# KiCad board TGX4.kicad_pcb
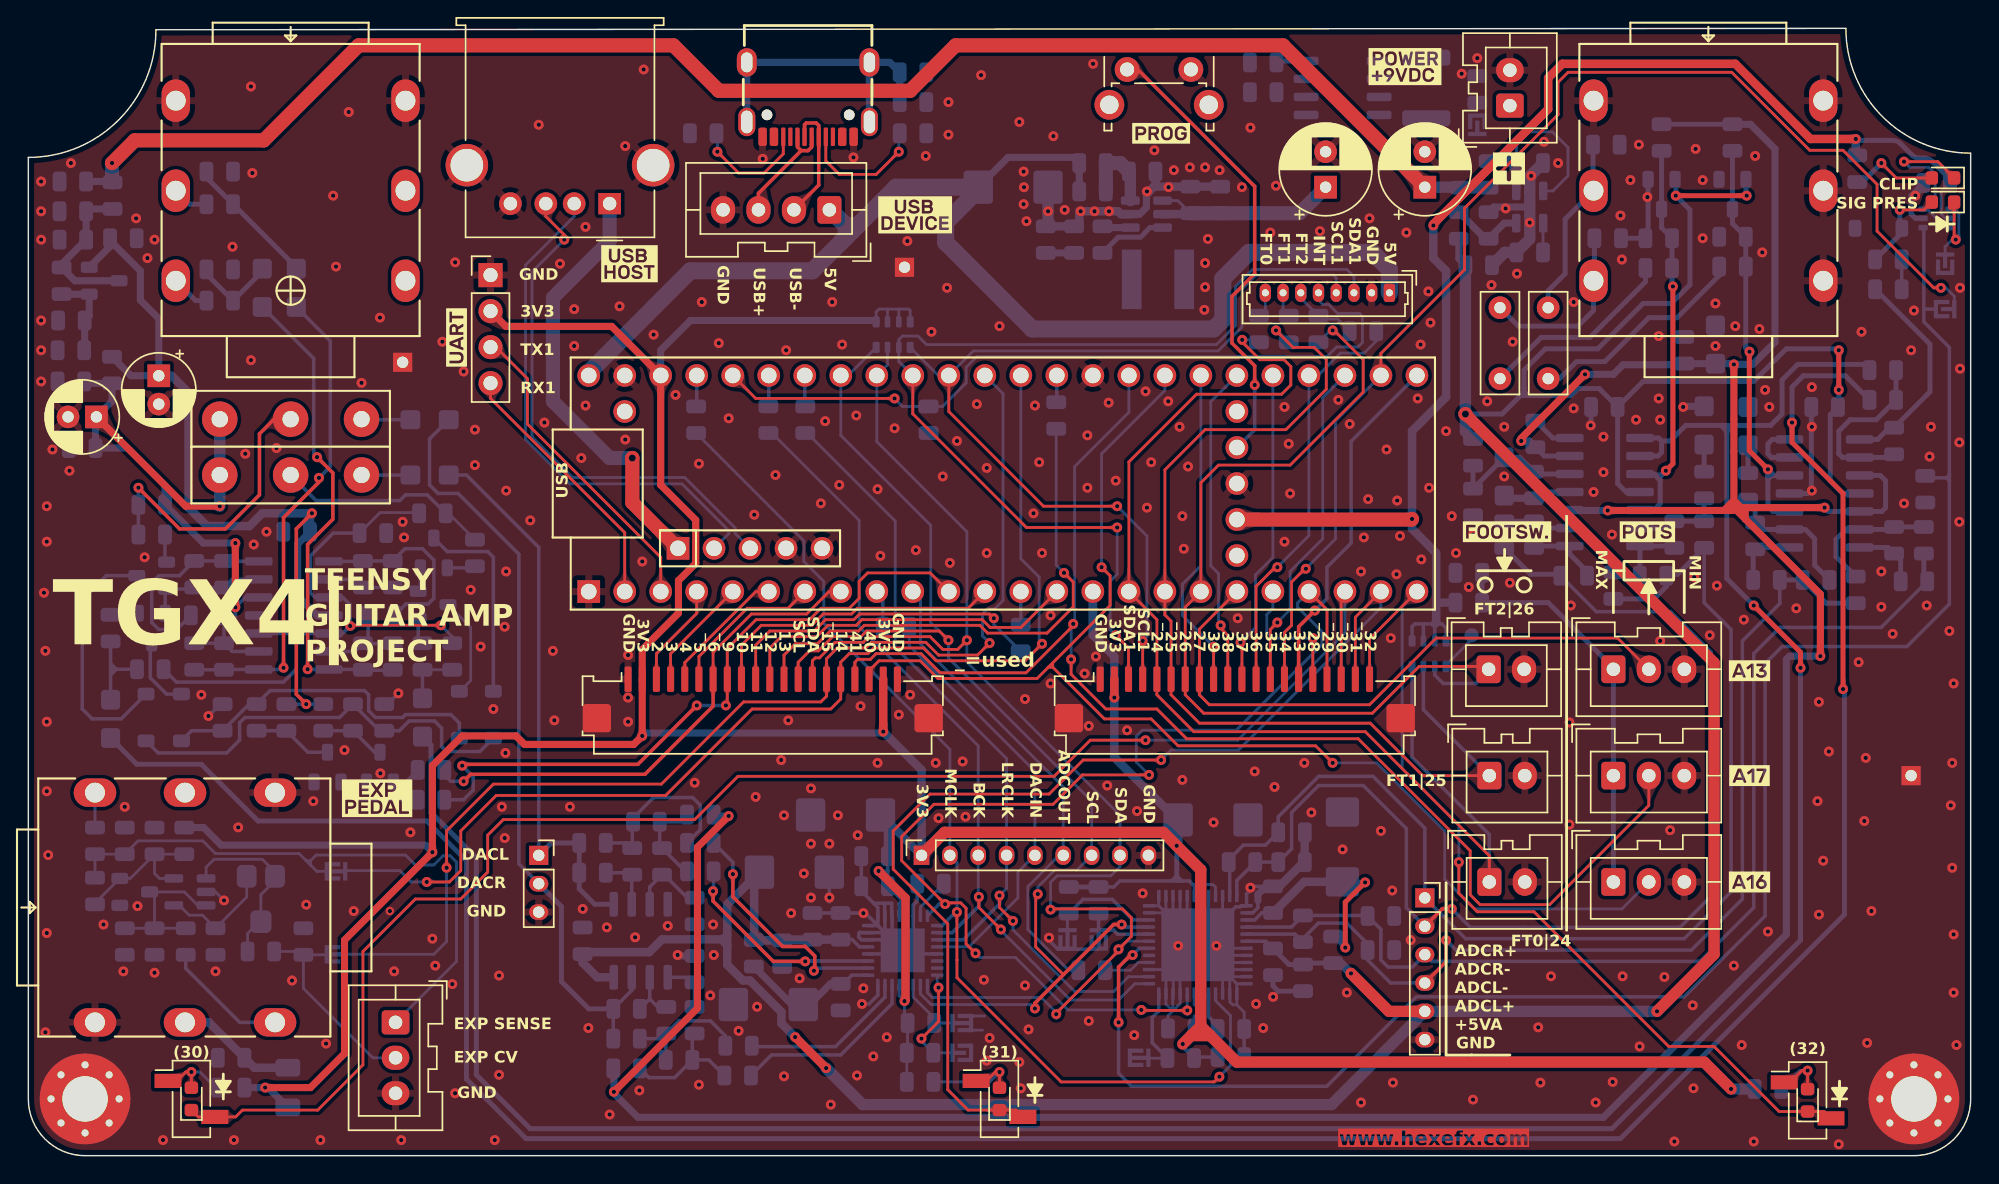
[diagram p0: board, top side]
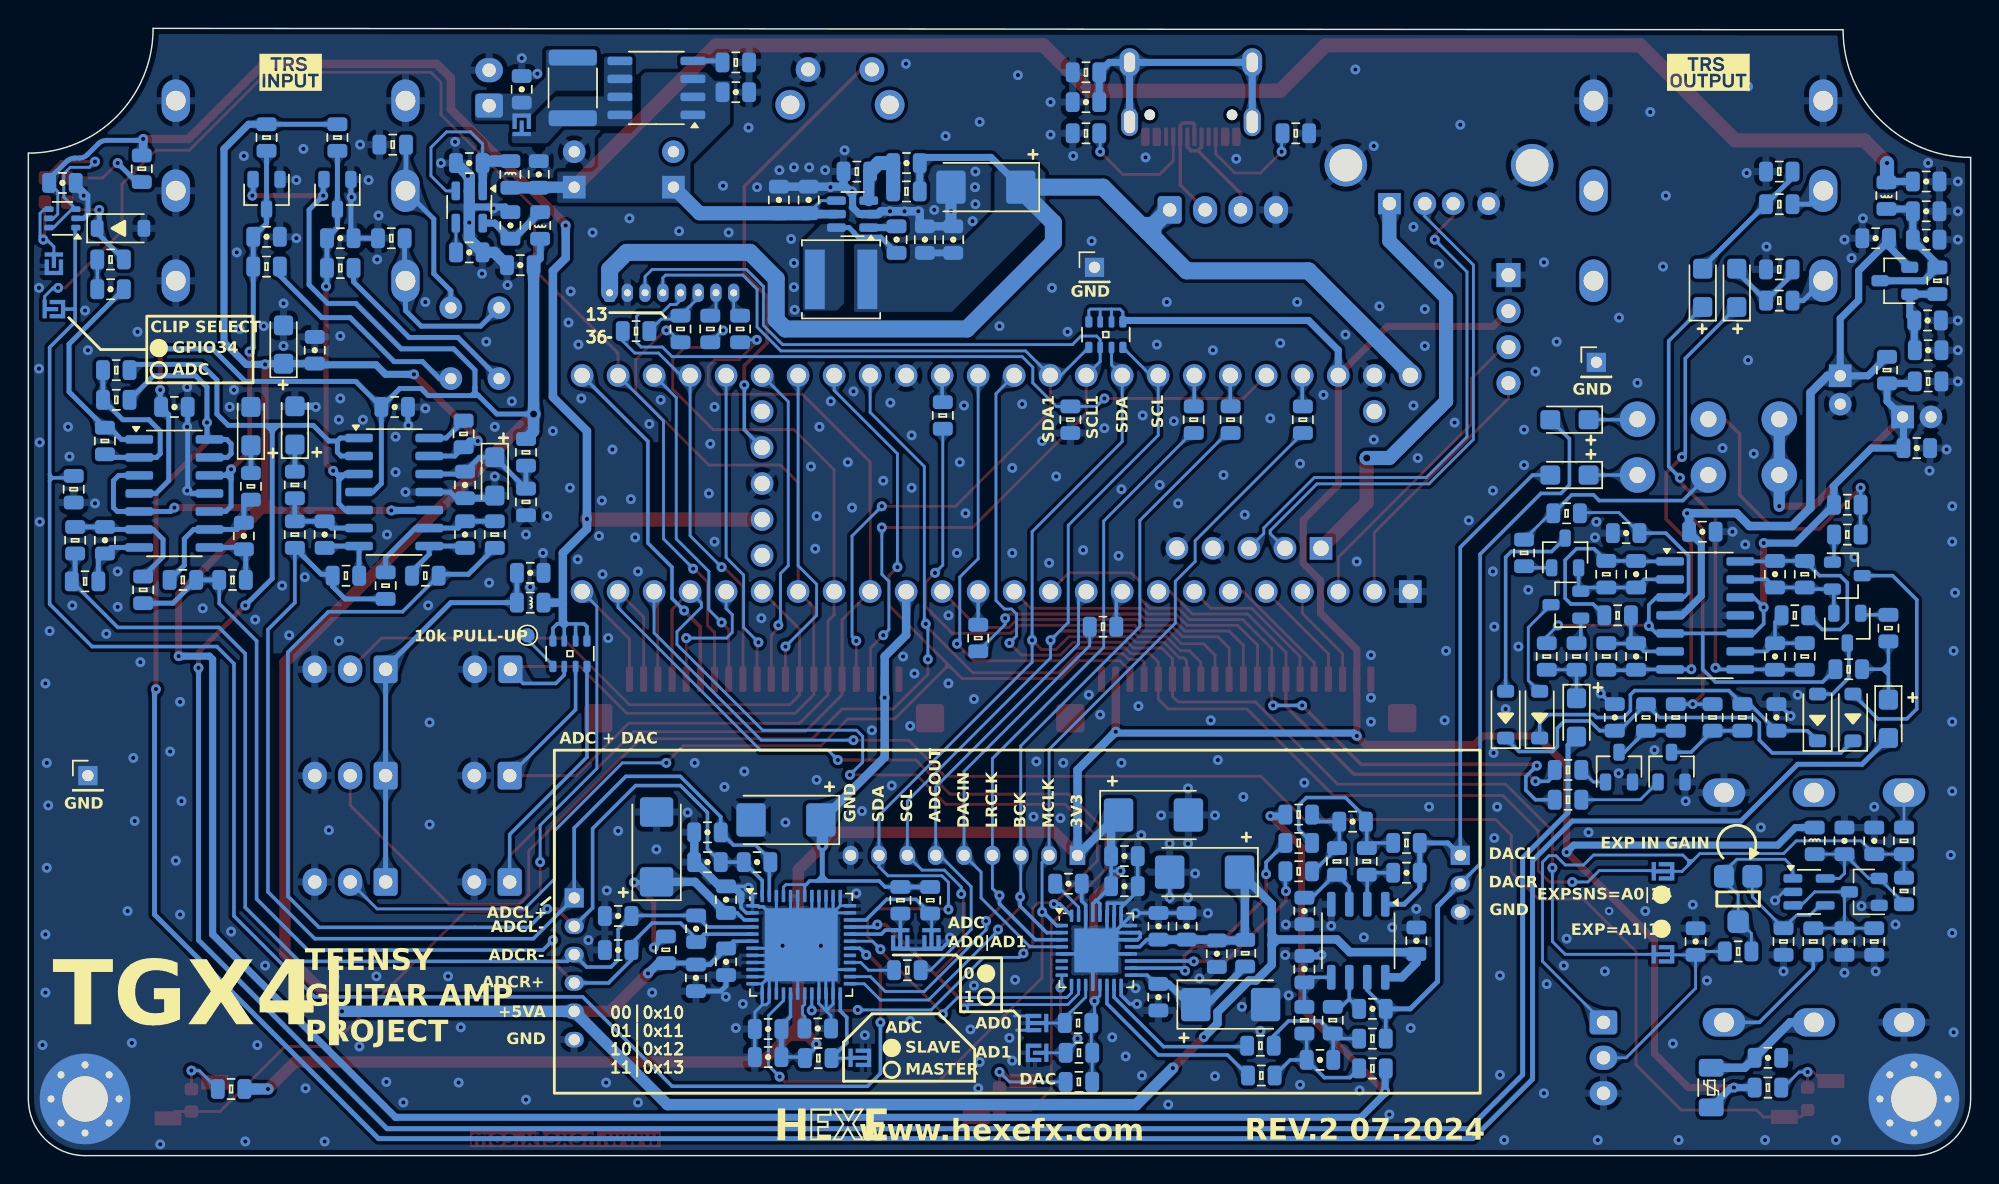
[diagram p1: board, bottom side, seen from below]

Outline 137 x 79.5 mm; copper layers: Top, In1.Cu, In2.Cu, Bottom. Coordinates in mm from the lower left corner of the outline.
Outline path: 0,4 0,70.4 arc(6.36,73.04) 9,79.4 128.2,79.5 arc(130.78,73.28) 137,70.7 137,4 arc(135.83,1.17) 133,0 4,0 arc(1.17,1.17) 0,4
Stack: Top 0.035mm / dielectric 0.1mm FR4 er 4.5 / In1.Cu 0.035mm / dielectric 1.24mm FR4 er 4.5 / In2.Cu 0.035mm / dielectric 0.1mm FR4 er 4.5 / Bottom 0.035mm

## Placement (name value [footprint] x y rotation side)
C1  4n7  [Hx_C_0805_2012Metric]  62.4 74.3 0 bottom
C2  15n  [Hx_C_0805_2012Metric]  85.6 20.7 0 bottom
C3  15n  [Hx_C_0805_2012Metric]  89.9 16 270 bottom
C4  100u  [CP_EIA-6032-28_Kemet-C]  92.69 21.77 90 bottom
C5  100n  [Hx_C_0805_2012Metric]  87.79 18.05 90 bottom
C6  10u  [Hx_C_0805_2012Metric]  87.79 13.67 270 bottom
C7  10u  [Hx_C_0805_2012Metric]  89.91 12.54 270 bottom
C8  1u  [Hx_C_0805_2012Metric]  81.32 8.97 180 bottom
C9  10u  [Hx_C_0805_2012Metric]  84.82 8.93 0 bottom
C10  10u  [Hx_C_0805_2012Metric]  84.82 6.95 0 bottom
C11  100u  [CP_EIA-6032-28_Kemet-C]  83.56 23.68 0 bottom
C12  100u  [CP_EIA-6032-28_Kemet-C]  57.64 24.02 180 bottom
C13  10u  [Hx_C_0805_2012Metric]  59.69 21.12 180 bottom
C14  100n  [Hx_C_0805_2012Metric]  59.69 19 180 bottom
C15  1u  [Hx_C_0805_2012Metric]  63.64 19.18 180 bottom
C16  100n  [Hx_C_0805_2012Metric]  57.29 16.17 90 bottom
C17  10u  [Hx_C_0805_2012Metric]  55.31 16.17 90 bottom
C18  100u  [CP_EIA-6032-28_Kemet-C]  54.03 19.99 0 bottom
C19  100u  [CP_EIA-6032-28_Kemet-C]  52.19 10.65 180 bottom
C20  100n  [Hx_C_0805_2012Metric]  57.3 11.18 270 bottom
C21  10u  [Hx_C_0805_2012Metric]  53.17 14.24 270 bottom
C22  4n7  [Hx_C_0805_2012Metric]  43.59 23.55 0 bottom
C23  4n7  [Hx_C_0805_2012Metric]  45.89 6.75 0 bottom
C24  1n  [Hx_C_0805_2012Metric]  47 17.25 90 bottom
C25  1n  [Hx_C_0805_2012Metric]  47 13.15 270 bottom
C26  1n  [Hx_C_0805_2012Metric]  39.8 19.95 180 bottom
C27  1n  [Hx_C_0805_2012Metric]  42.19 10.35 180 bottom
C28  1u  [Hx_C_0805_2012Metric]  39.09 15.15 90 bottom
C29  1u  [Hx_C_0805_2012Metric]  111.16 52.8 180 bottom
C30  1u  [Hx_C_0805_2012Metric]  126.7 52.8 180 bottom
C31  10u  [Hx_C_0805_2012Metric]  131.2 61.1 180 bottom
C32  10u  [CP_EIA-3216-18_Kemet-A]  104.1 47.9 270 bottom
C33  1u  [Hx_C_0805_2012Metric]  134.6 68.6 180 bottom
C34  10u  [CP_EIA-3216-18_Kemet-A]  119 57.2 90 bottom
C35  100n  [C_Rect_L7.0mm_W2.5mm_P5.00mm]  103.8 54.8 90 top
C36  100n  [C_Rect_L7.0mm_W2.5mm_P5.00mm]  107.2 54.8 90 top
C37  100p  [Hx_C_0805_2012Metric]  115 64.7 180 bottom
C38  100p  [Hx_C_0805_2012Metric]  120.2 64.8 180 bottom
C39  10u  [CP_EIA-3216-18_Kemet-A]  118.2 51.5 90 bottom
C40  10u  [CP_EIA-3216-18_Kemet-A]  121.3 51.45 90 bottom
C41  470p  [Hx_C_0805_2012Metric]  116.1 43.8 90 bottom
C42  470p  [Hx_C_0805_2012Metric]  121.8 43.7 90 bottom
C43  470p  [Hx_C_0805_2012Metric]  106.2 43.8 90 bottom
C44  470p  [Hx_C_0805_2012Metric]  131.6 43.4 90 bottom
C45  100p  [Hx_C_0805_2012Metric]  95.4 14.5 0 bottom
C46  100p  [Hx_C_0805_2012Metric]  89.1 22.8 0 bottom
C47  100p  [Hx_C_0805_2012Metric]  95.4 16.9 0 bottom
C48  100p  [Hx_C_0805_2012Metric]  89.1 20.7 0 bottom
C49  10u  [CP_EIA-3216-18_Kemet-A]  28.3 48 0 bottom
C50  10u  [CP_EIA-3216-18_Kemet-A]  27.8 30.9 270 bottom
C51  10u  [CP_EIA-3216-18_Kemet-A]  28.3 51.9 0 bottom
C52  10u  [CP_EIA-3216-18_Kemet-A]  5.8 30.8 270 bottom
C53  100n  [Hx_C_0805_2012Metric]  13.7 30.9 270 bottom
C54  100n  [Hx_C_0805_2012Metric]  25.1 30.9 90 bottom
C55  100p  [Hx_C_0805_2012Metric]  23.6 41 90 bottom
C56  100p  [Hx_C_0805_2012Metric]  13.8 41 90 bottom
C57  1u  [Hx_C_0805_2012Metric]  24.3 43.9 0 bottom
C58  1u  [Hx_C_0805_2012Metric]  18.92 44 180 bottom
C59  100p  [Hx_C_0805_2012Metric]  23.6 35.2 270 bottom
C60  100p  [Hx_C_0805_2012Metric]  13.8 35.2 270 bottom
C61  10u  [CP_EIA-3216-18_Kemet-A]  16.5 61.2 90 bottom
C62  10u  [CP_EIA-3216-18_Kemet-A]  18.9 61.2 90 bottom
C63  22u  [Hx_C_0805_2012Metric]  81.96 67.4 90 bottom
C64  22u  [Hx_C_0805_2012Metric]  84.06 67.4 90 bottom
C65  1u  [Hx_C_0805_2012Metric]  102.2 75.2 90 bottom
C66  22n  [Hx_C_0805_2012Metric]  75.76 64.6 270 bottom
C67  220u  [CP_Radial_D6.3mm_P2.50mm]  91.5 68.3 90 top
C68  220u  [CP_Radial_D6.3mm_P2.50mm]  98.5 68.3 90 top
C69  22p  [Hx_C_0805_2012Metric]  75.06 70 0 bottom
C70  1u  [Hx_C_0805_2012Metric]  87.1 75 180 bottom
C71  22u  [Hx_C_0805_2012Metric]  73.76 64.6 90 bottom
C72  22u  [Hx_C_0805_2012Metric]  71.76 64.6 90 bottom
C73  100u  [CP_EIA-6032-28_Kemet-C]  69.46 68.3 0 bottom
C74  10u  [Hx_C_0805_2012Metric]  3.14 68.7 180 bottom
C75  10u  [Hx_C_0805_2012Metric]  101 69.2 90 bottom
C76  10u  [Hx_C_0805_2012Metric]  3.14 66.6 180 bottom
C77  10u  [Hx_C_0805_2012Metric]  105.9 70 0 bottom
C78  10u  [Hx_C_0805_2012Metric]  3.14 64.6 180 bottom
C79  10u  [Hx_C_0805_2012Metric]  3.04 58.9 180 bottom
C80  100n  [Hx_C_0805_2012Metric]  3 56.8 180 bottom
C81  470p  [Hx_C_0805_2012Metric]  105.9 63.7 180 bottom
C82  100u  [CP_Radial_D5.0mm_P2.00mm]  9.2 55 270 top
C83  10u  [Hx_C_0805_2012Metric]  103 65.6 90 bottom
C84  100n  [Hx_C_0805_2012Metric]  6.7 64.7 0 bottom
C85  10u  [Hx_C_0805_2012Metric]  102.3 62.8 0 bottom
C86  47u  [CP_Radial_D5.0mm_P2.00mm]  4.8 52.1 180 top
C87  100n  [Hx_C_0805_2012Metric]  3.8 49.9 180 bottom
C88  1u  [Hx_C_0805_2012Metric]  106.2 47.3 270 bottom
C89  1u  [Hx_C_0805_2012Metric]  116.8 56.8 90 bottom
C90  10u  [Hx_C_0805_2012Metric]  101.6 41.1 180 bottom
C91  10u  [Hx_C_0805_2012Metric]  14.3 6.9 180 bottom
C92  100n  [Hx_C_0805_2012Metric]  6.8 22.2 90 bottom
C94  100n  [Hx_C_0805_2012Metric]  8.9 15.1 270 bottom
C95  1n  [Hx_C_0805_2012Metric]  19.4 15.1 90 bottom
C96  10u  [Hx_C_0805_2012Metric]  8.9 22.2 90 bottom
CON1  TRS_JACK  [NMJ6HCD2_TRSjack_smallPads]  118.5 78.4 0 top
CON2  TRS_JACK  [NMJ6HCD2_TRSjack_smallPads]  18.5 78.4 0 top
CON3  TRS_JACK  [NMJ6HCD2_TRSjack_smallPads]  0.7 17.5 90 top
D1  BAT54S  [SOT-23]  7.5 18.6 0 bottom
D2  LED GREEN  [LED_0603_1608Metric]  135.05 67.25 180 top
D3  1N4148W  [D_SOD-123]  130.5 65.4 180 bottom
D4  LED RED  [LED_0603_1608Metric]  135.05 68.95 180 top
D5  BAT54S  [SOT-23]  115.2 67.8 270 bottom
D6  BAT54S  [SOT-23]  120.2 67.8 270 bottom
D7  1N4148W  [D_SOD-123]  30.4 31.1 90 bottom
D8  1N4148W  [D_SOD-123]  10.8 30.9 90 bottom
D9  1N4148W  [D_SOD-123]  32.8 31.1 90 bottom
D10  1N4148W  [D_SOD-123]  8.3 30.9 90 bottom
D11  LED PINK  [LED_0603_1608Metric]  11.5 4 90 top
D12  LED PINK  [LED_0603_1608Metric]  68.5 4 90 top
D13  LED PINK  [LED_0603_1608Metric]  125.5 3.9 90 top
F1  500mA  [Fuse_1812_4532Metric]  98.6 75.3 270 bottom
F2  50mA - 0ZCJ0005FF2E  [Fuse_1206_3216Metric]  18.3 4.8 270 bottom
H1  MountingHole_Pad  [MountingHole_3.2mm_M3_Pad_Via]  4 4 0 top
H2  MountingHole_Pad  [MountingHole_3.2mm_M3_Pad_Via]  133 4 0 top
J1  USB_A  [USB_A_Molex_67643_Horizontal]  41 67.14 180 top
J2  Conn_01x03  [JST_XA_B03B-XASK-1_1x03_P2.50mm_Vertical]  25.9 9.4 270 top
J3  Conn_01x04  [PinHeader_1x04_P2.54mm_Vertical]  32.6 62.1 0 top
J4  Conn_01x04  [JST_XA_B04B-XASK-1_1x04_P2.50mm_Vertical]  56.5 66.7 180 top
J5  Conn_01x07  [PinSocket_1x09_P2.00mm_Vertical]  63 21.18 90 top
J6  Conn_01x02  [JST_XA_B02B-XASK-1_1x02_P2.50mm_Vertical]  103.05 19.3 0 top
J7  Conn_01x02  [JST_XA_B02B-XASK-1_1x02_P2.50mm_Vertical]  103.05 26.8 0 top
J8  Conn_01x02  [JST_XA_B02B-XASK-1_1x02_P2.50mm_Vertical]  103 34.3 0 top
J9  Conn_01x03  [PinSocket_1x03_P2.00mm_Vertical]  36 21.18 0 top
J10  XW10202-20R-00  [HCTL_XW10202-20R-00 _1x20-1MP_P1.00mm_Horizontal]  51.8 32.64 0 top
J11  Conn_01x08  [Molex_PicoBlade_53047-0810_1x08_P1.25mm_Vertical]  96 60.85 180 top
J12  XW10202-20R-00  [HCTL_XW10202-20R-00 _1x20-1MP_P1.00mm_Horizontal]  85.1 32.64 0 top
J13  USB_C_Receptacle_USB2.0_TYPE_C_31_M_12  [USB_C_TYPE-C-31-M-12]  55 77.1 180 top
J14  Conn_01x06  [PinSocket_1x06_P2.00mm_Vertical]  98.5 18.18 0 top
J15  Conn_01x02  [JST_XA_B02B-XASK-1_1x02_P2.50mm_Vertical]  104.5 74.05 90 top
J16  Conn_01x03  [JST_XA_B03B-XASK-1_1x03_P2.50mm_Vertical]  111.8 34.3 0 top
J17  Conn_01x03  [JST_XA_B03B-XASK-1_1x03_P2.50mm_Vertical]  111.8 26.8 0 top
J18  Conn_01x03  [JST_XA_B03B-XASK-1_1x03_P2.50mm_Vertical]  111.8 19.3 0 top
J19  Conn_01x02  [PinSocket_1x02_P2.54mm_Vertical_SMD_Pin1Left]  11.5 4 0 top
J20  Conn_01x02  [PinSocket_1x02_P2.54mm_Vertical_SMD_Pin1Left]  68.5 4 0 top
J21  Conn_01x02  [PinSocket_1x02_P2.54mm_Vertical_SMD_Pin1Left]  125.5 3.9 0 top
J22  Conn_01x01  [PinHeader_1x01_P2.00mm_Vertical]  61.8 62.65 180 bottom
J23  Conn_01x01  [PinHeader_1x01_P2.00mm_Vertical]  26.4 55.95 180 bottom
J24  Conn_01x01  [PinHeader_1x01_P2.00mm_Vertical]  132.8 26.8 180 bottom
JP1  SLAVE_MODE  [PCB_jumper_2_closed]  78.35 6.9 270 bottom
JP2  ADDR1  [PCB_jumper_2_closed]  73.3 15.25 0 bottom
JP3  ADDR0  [PCB_jumper_2_closed]  75.5 15.25 0 bottom
JP4  ADDR0  [PCB_jumper_2_closed]  65.85 9.35 90 bottom
JP5  ADDR1  [PCB_jumper_2]  65.84 7.25 90 bottom
JP6  EXP_AN1  [PCB_jumper_2_closed]  21.7 14.2 270 bottom
JP7  EXPSNS_A0  [PCB_jumper_2_closed]  21.7 20.05 270 bottom
JP8  FuseBypass  [PCB_jumper_2]  102.2 72.7 180 bottom
JP9  CLIP_OFF  [PCB_jumper_2]  135.2 62.9 0 bottom
JP10  CLIP_SEL  [PCB_jumper_2]  135.2 59.7 270 bottom
kibuzzard-661BADDD  G***  [kibuzzard-661BADDD]  42.4 62.9 0 top
kibuzzard-661BADE6  G***  [kibuzzard-661BADE6]  62.55 66.35 0 top
kibuzzard-661BAE99  G***  [kibuzzard-661BAE99]  79.9 72.1 0 top
kibuzzard-661BAEA8  G***  [kibuzzard-661BAEA8]  97.1 76.8 0 top
kibuzzard-661BAFFF  G***  [kibuzzard-661BAFFF]  121.4 34.2 0 top
kibuzzard-661BB019  G***  [kibuzzard-661BB019]  121.4 26.8 0 top
kibuzzard-661BB022  G***  [kibuzzard-661BB022]  121.4 19.3 0 top
kibuzzard-661FAC7F  G***  [kibuzzard-661FAC7F]  118.5 76.4 180 bottom
kibuzzard-661FAC9A  G***  [kibuzzard-661FAC9A]  18.5 76.4 180 bottom
kibuzzard-661FB961  G***  [kibuzzard-661FB961]  114.2 44 0 top
kibuzzard-661FB982  G***  [kibuzzard-661FB982]  104.3 44 0 top
kibuzzard-661FBCC0  G***  [kibuzzard-661FBCC0]  24.6 25.2 0 top
kibuzzard-661FBCEA  G***  [kibuzzard-661FBCEA]  30.2 57.7 90 top
L1  10uH  [L_Changjiang_FNR5020S]  79.67 61.8 0 bottom
L2  10uH  [Hx_L_0805_2012Metric]  5.94 67.7 270 bottom
L3  10uH  [Hx_L_0805_2012Metric]  103 69.2 90 bottom
L4  10uH  [Hx_L_0805_2012Metric]  100.9 65.6 270 bottom
L5  10uH  [Hx_L_0805_2012Metric]  101.6 39 180 bottom
L6  10uH  [Hx_L_0805_2012Metric]  11 22.2 90 bottom
Q1  BC817  [SOT-23]  21.1 27.4 90 bottom
Q2  BC817  [SOT-23]  24.8 27.4 90 bottom
Q3  MMBFJ112  [SOT-23]  28.55 38.85 0 bottom
Q4  MMBFJ112  [SOT-23]  8.7 37.2 270 bottom
Q5  MMBFJ112  [SOT-23]  28.6 42.5 90 bottom
Q6  MMBFJ112  [SOT-23]  8.7 40.9 180 bottom
Q7  SI4497DY  [SO-8_3.9x4.9mm_P1.27mm]  92.7 75.3 0 bottom
Q8  BC817  [SOT-23]  5.34 61.7 0 bottom
R1  33R  [Hx_R_0805_2012Metric]  61.2 37.3 180 bottom
R2  33R  [Hx_R_0805_2012Metric]  70 36.5 90 bottom
R3  1k  [Hx_R_0805_2012Metric]  91 58.3 270 bottom
R4  1k  [Hx_R_0805_2012Metric]  88.9 58.3 270 bottom
R5  1k  [Hx_R_0805_2012Metric]  86.8 58.3 270 bottom
R6  33R  [Hx_R_0805_2012Metric]  72.5 52.2 270 bottom
R7  33R  [Hx_R_0805_2012Metric]  47.1 51.9 90 bottom
R8  33R  [Hx_R_0805_2012Metric]  52.2 51.9 90 bottom
R9  33R  [Hx_R_0805_2012Metric]  54.8 51.9 90 bottom
R10  100k  [Hx_R_0805_2012Metric]  81.29 6.88 0 bottom
R11  20R  [Hx_R_0805_2012Metric]  92.03 14.52 270 bottom
R12  100k  [Hx_R_0805_2012Metric]  73.39 18.01 90 bottom
R13  100k  [Hx_R_0805_2012Metric]  75.49 18.01 90 bottom
R14  100k  [Hx_R_0805_2012Metric]  62.96 9.35 180 bottom
R15  100k  [Hx_R_0805_2012Metric]  62.89 7.25 180 bottom
R16  20R  [Hx_R_0805_2012Metric]  51.17 14.28 90 bottom
R17  4k7  [Hx_R_0805_2012Metric]  47.39 22.05 180 bottom
R18  4k7  [Hx_R_0805_2012Metric]  47.39 20.05 180 bottom
R19  4k7  [Hx_R_0805_2012Metric]  50.09 7.75 180 bottom
R20  4k7  [Hx_R_0805_2012Metric]  50.03 5.65 180 bottom
R21  3k3  [Hx_R_0805_2012Metric]  47.39 24.05 180 bottom
R22  3k3  [Hx_R_0805_2012Metric]  42.19 6.15 0 bottom
R23  150R  [Hx_R_0805_2012Metric]  42.59 20.75 270 bottom
R24  150R  [Hx_R_0805_2012Metric]  44.69 20.75 270 bottom
R25  150R  [Hx_R_0805_2012Metric]  45 9.55 90 bottom
R26  150R  [Hx_R_0805_2012Metric]  47 9.55 90 bottom
R27  3k3  [Hx_R_0805_2012Metric]  39.8 22.05 180 bottom
R28  3k3  [Hx_R_0805_2012Metric]  42.19 8.25 180 bottom
R29  10k  [Hx_R_0805_2012Metric]  130.8 55.4 180 bottom
R30  10k  [Hx_R_0805_2012Metric]  130.8 53.3 180 bottom
R31  1M  [Hx_R_0805_2012Metric]  131.6 50.4 270 bottom
R32  1k  [Hx_R_0805_2012Metric]  131.2 63.2 0 bottom
R33  10k  [Hx_R_0805_2012Metric]  101.9 49.6 270 bottom
R34  10k  [Hx_R_0805_2012Metric]  101.9 46.1 270 bottom
R35  1k  [Hx_R_0805_2012Metric]  129 69.6 270 bottom
R36  10R  [Hx_R_0805_2012Metric]  106.3 50.9 90 bottom
R37  2M2  [Hx_R_0805_2012Metric]  111.4 64.7 180 bottom
R38  2M2  [Hx_R_0805_2012Metric]  111.3 71.3 180 bottom
R39  1k  [Hx_R_0805_2012Metric]  115 62.6 180 bottom
R40  1k  [Hx_R_0805_2012Metric]  120.2 62.7 180 bottom
R41  2M2  [Hx_R_0805_2012Metric]  115.2 71.8 90 bottom
R42  2M2  [Hx_R_0805_2012Metric]  120.2 71.8 90 bottom
R43  22k  [Hx_R_0805_2012Metric]  118.2 47.3 90 bottom
R44  22k  [Hx_R_0805_2012Metric]  121.3 47.2 90 bottom
R45  10k  [Hx_R_0805_2012Metric]  118.2 43.8 90 bottom
R46  10k  [Hx_R_0805_2012Metric]  126.1 40.6 0 bottom
R47  10k  [Hx_R_0805_2012Metric]  111.8 40.2 90 bottom
R48  10k  [Hx_R_0805_2012Metric]  128.9 39.9 90 bottom
R49  10R  [Hx_R_0805_2012Metric]  114.6 40.9 180 bottom
R50  10R  [Hx_R_0805_2012Metric]  122.6 40.6 180 bottom
R51  10k  [Hx_R_0805_2012Metric]  104.1 43.8 90 bottom
R52  10k  [Hx_R_0805_2012Metric]  133.7 43.4 90 bottom
R53  10R  [Hx_R_0805_2012Metric]  109 40.9 0 bottom
R54  10R  [Hx_R_0805_2012Metric]  133 40.5 180 bottom
R55  10k  [Hx_R_0805_2012Metric]  28.4 25.1 0 bottom
R56  10k  [Hx_R_0805_2012Metric]  28.4 27.2 0 bottom
R57  100k  [Hx_R_0805_2012Metric]  18.2 30.9 270 bottom
R58  470k  [Hx_R_0805_2012Metric]  16.1 30.9 270 bottom
R59  100k  [Hx_R_0805_2012Metric]  20.8 30.9 270 bottom
R60  470k  [Hx_R_0805_2012Metric]  22.9 30.9 270 bottom
R61  47k  [Hx_R_0805_2012Metric]  27.8 35.2 90 bottom
R62  47k  [Hx_R_0805_2012Metric]  5.8 37.2 90 bottom
R63  47k  [Hx_R_0805_2012Metric]  31.5 42.5 270 bottom
R64  47k  [Hx_R_0805_2012Metric]  8.7 43.8 0 bottom
R65  470k  [Hx_R_0805_2012Metric]  28.5 45.3 180 bottom
R66  470k  [Hx_R_0805_2012Metric]  8.7 45.9 0 bottom
R67  470k  [Hx_R_0805_2012Metric]  29.9 35.2 90 bottom
R68  470k  [Hx_R_0805_2012Metric]  8.6 34.3 0 bottom
R69  47k  [Hx_R_0805_2012Metric]  25.7 41 270 bottom
R70  47k  [Hx_R_0805_2012Metric]  11.7 41 270 bottom
R71  10k  [Hx_R_0805_2012Metric]  24.9 38.1 0 bottom
R72  10k  [Hx_R_0805_2012Metric]  12.4 38.1 180 bottom
R73  10k  [Hx_R_0805_2012Metric]  25.7 35.2 90 bottom
R74  10k  [Hx_R_0805_2012Metric]  11.7 35.2 90 bottom
R75  470R  [Hx_R_0805_2012Metric]  13.5 60.3 0 bottom
R76  470R  [Hx_R_0805_2012Metric]  13.5 67.1 0 bottom
R77  100k  [Hx_R_0805_2012Metric]  13.5 62.5 180 bottom
R78  100k  [Hx_R_0805_2012Metric]  13.5 69.4 180 bottom
R79  100k  [Hx_R_0805_2012Metric]  87.1 77.1 0 bottom
R80  110k  [Hx_R_0805_2012Metric]  75.06 68 180 bottom
R81  15k  [Hx_R_0805_2012Metric]  78.56 69.4 180 bottom
R82  2k2  [Hx_R_0805_2012Metric]  2.34 61.7 90 bottom
R83  10k  [Hx_R_0805_2012Metric]  5.9 55.4 90 bottom
R84  10k  [Hx_R_0805_2012Metric]  3 54.6 0 bottom
R85  33R  [Hx_R_0805_2012Metric]  75 13.08 180 bottom
R86  5K1  [Hx_R_0805_2012Metric]  62.4 72.1 0 bottom
R87  5K1  [Hx_R_0805_2012Metric]  47.6 72.1 180 bottom
R88  1M  [Hx_R_0805_2012Metric]  62.4 76.4 180 bottom
R89  10k  [Hx_R_0805_2012Metric]  4.7 22.2 270 bottom
R90  100k  [Hx_R_0805_2012Metric]  4.7 18.66 270 bottom
R91  10k  [Hx_R_0805_2012Metric]  63.5 51.9 270 bottom
R92  1k  [Hx_R_0805_2012Metric]  11.1 15.1 90 bottom
R93  10k  [Hx_R_0805_2012Metric]  13.2 15.1 90 bottom
R94  1k  [Hx_R_0805_2012Metric]  16.4 14.4 0 bottom
R95  1k  [Hx_R_0805_2012Metric]  14.3 4.8 0 bottom
R96  1k  [Hx_R_0805_2012Metric]  62.9 5.2 180 bottom
R97  1k  [Hx_R_0805_2012Metric]  122.7 4.7 180 bottom
R98  100k  [Hx_R_0805_2012Metric]  133.8 47 270 bottom
R99  1k  [Hx_R_0805_2012Metric]  94.14 58.15 0 bottom  (not fitted)
R100  2.2M  [Hx_R_0805_2012Metric]  6.8 15.1 90 bottom
RP1  10k  [R_Array_Convex_4x0603]  98.8 35.4 90 bottom
RP2  2k2  [R_Array_Convex_4x0603]  61 57.9 90 bottom
RV1  10kLOG  [ALPHA_DUALPOT_16mm]  18.5 61 0 top
RV2  10k  [Trimpot_SMD_mini]  16.4 18.1 0 bottom
S2  Detail2  [HexeFx_077x022]  80.3 2.2 180 bottom
SW1  Footsw_symbol  [FootswitchTopView]  11.5 -22.9 270 top
SW2  Footsw_symbol  [FootswitchTopView]  125.5 -22.9 270 top
SW3  Footsw_symbol  [FootswitchTopView]  68.4 -22.6 270 top
SW4  SW_Push  [SW_Tactile_SPST_Angled_PTS645Vx83-2LFS]  77.5 76.6 0 top
TP1  TestPoint  [TestPoint_Pad_D1.0mm]  101.8 36.7 180 bottom
U1  MCP6001  [SOT-23-5]  11.4 18.6 180 bottom
U2  Teensy_4.1_noETH  [Teensy41_noETH]  68.73 47.4 0 top
U3  AK5552  [QFN-48-1EP_7x7mm_P0.5mm_EP5.15x5.15mm]  82.49 14.87 180 bottom
U4  AK4452  [QFN-32-1EP_5x5mm_P0.5mm_EP3.1x3.1mm]  61.67 14.48 180 bottom
U5  TLC2272  [SO-8_3.9x4.9mm_P1.27mm]  43.19 15.15 270 bottom
U6  TLC2274  [SO-14_3.9x8.65mm_P1.27mm]  111.2 46.8 180 bottom
U7  TLC2274  [SO-14_3.9x8.65mm_P1.27mm]  126.7 46.7 180 bottom
U8  74LVC2G14  [SOT-363_SC-70-6]  134.6 66.1 0 bottom
U9  TLC2274  [SO-14_3.9x8.65mm_P1.27mm]  18.72 38.1 180 bottom
U10  MT2492  [SOT-23-6]  78.86 66.4 0 bottom
U11  MIC5205-5.0YM5  [SOT-23-5]  105.9 66.9 270 bottom

## Library data of the parts
C4 C11 C12 C18 C19 C32 C34 C39 C40 C49-C52 C61 C62 C67 C68 C73 C82 C86 = -: ki_fp_filters: SM* C? C1-1
D1 D5 D6 = -: Datasheet: https://www.diodes.com/assets/Datasheets/ds11005.pdf; Description: Vr 30V, If 200mA, Dual schottky barrier diode, in series, SOT-323; ki_fp_filters: SOT?23*
D2 D4 D11-D13 = -: Description: Light emitting diode, small symbol, filled shape; ki_fp_filters: LED* LED_SMD:* LED_THT:*
D3 D7-D10 = -: Datasheet: https://www.vishay.com/docs/85748/1n4148w.pdf; Description: 75V 0.15A Fast Switching Diode, SOD-123; Sim.Device: D; Sim.Pins: 1=K 2=A; ki_fp_filters: D*SOD?123*
F1 F2 = -: Description: Resettable fuse, polymeric positive temperature coefficient; ki_fp_filters: *polyfuse* *PTC*
H1 H2 = -: Description: Mounting Hole with connection; ki_fp_filters: MountingHole*Pad*
J1 = -: ki_fp_filters: USB*
J2 J9 J16-J18 = -: Description: Generic connector, single row, 01x03, script generated (kicad-library-utils/schlib/autogen/connector/); ki_fp_filters: Connector*:*_1x??_*
J3 J4 = -: Description: Generic connector, single row, 01x04, script generated (kicad-library-utils/schlib/autogen/connector/); ki_fp_filters: Connector*:*_1x??_*
J5 = -: Description: Generic connector, single row, 01x09, script generated (kicad-library-utils/schlib/autogen/connector/); ki_fp_filters: Connector*:*_1x??_*
J6-J8 J19-J21 = -: ki_fp_filters: Connector*:*_1x??_*
J10 J12 = -: Description: Generic shielded connector, single row, 01x20, script generated (kicad-library-utils/schlib/autogen/connector/); ki_fp_filters: Connector*:*_1x??-1SH*
J11 = -: Description: Generic connector, single row, 01x08, script generated (kicad-library-utils/schlib/autogen/connector/); ki_fp_filters: Connector*:*_1x??_*
J13 = -: Datasheet: https://datasheet.lcsc.com/lcsc/2108131730_Korean-Hroparts-Elec-TYPE-C-31-M-12_C165948.pdf; Description: USB 2.0-only Type-C Receptacle connector; LCSC: C283540; ki_fp_filters: USB*C*Receptacle*
J14 = -: Description: Generic connector, single row, 01x06, script generated (kicad-library-utils/schlib/autogen/connector/); ki_fp_filters: Connector*:*_1x??_*
J15 = -: Description: Generic connector, single row, 01x02, script generated (kicad-library-utils/schlib/autogen/connector/); ki_fp_filters: Connector*:*_1x??_*
J22-J24 = -: Description: Generic connector, single row, 01x01, script generated (kicad-library-utils/schlib/autogen/connector/); ki_fp_filters: Connector*:*_1x??_*
JP1-JP4 JP6 JP7 = -: Description: Jumper, 2-pole, closed/bridged; ki_fp_filters: Jumper* TestPoint*2Pads* TestPoint*Bridge*
JP5 JP9 JP10 = -: Description: Jumper, 2-pole, open; ki_fp_filters: Jumper* TestPoint*2Pads* TestPoint*Bridge*
JP8 = -: ki_fp_filters: SolderJumper*Open*
L1 = -: Description: Inductor, small symbol; ki_fp_filters: Choke_* *Coil* Inductor_* L_*
L2-L6 = -: ki_fp_filters: Choke_* *Coil* Inductor_* L_*
Q1 Q2 = -: Datasheet: http://www.infineon.com/dgdl/Infineon-BC847SERIES_BC848SERIES_BC849SERIES_BC850SERIES-DS-v01_01-en.pdf?fileId=db3a304314dca389011541d4630a1657; Description: 0.1A Ic, 45V Vce, NPN Transistor, SOT-23; ki_fp_filters: SOT?23*
Q3-Q6 = -: Datasheet: https://www.onsemi.com/pub/Collateral/MMBFJ113-D.PDF; Description: 5mA min, 35V, 50mOhm max, 1-5V Vgs(off), N-Channel JFET, SOT-23; ki_fp_filters: SOT?23*
Q7 = -: Datasheet: https://www.vishay.com/docs/65748/si4497dy.pdf
Q8 = -: Datasheet: https://www.onsemi.com/pub/Collateral/BC818-D.pdf; ki_fp_filters: SOT?23*
R1-R28 R85-R97 R99 R100 = -: Description: Resistor; ki_fp_filters: R_*
R29-R84 R98 = -: ki_fp_filters: R_*
RV2 = -: Description: Trim-potentiometer; ki_fp_filters: Potentiometer*
SW1-SW3 = -: Description: Footswitch as external component
SW4 = -: Description: Push button switch, generic, two pins
TP1 = -: Description: test point; ki_fp_filters: Pin* Test*
U1 = -: Datasheet: http://ww1.microchip.com/downloads/en/DeviceDoc/21733j.pdf; Description: 1MHz, Low-Power Op Amp, SOT-23-5; ki_fp_filters: SOT?23*
U3 = -: Datasheet: https://www.akm.com/content/dam/documents/products/audio/audio-adc/ak5552vn/ak5552vn-en-datasheet.pdf; Description: 2-Channel Differential 32-bit  ADC
U4 = -: Datasheet: https://www.akm.com/content/dam/documents/products/audio/audio-dac/ak4452vn/ak4452vn-en-datasheet.pdf; Description: 115dB 768kHz 32-bit 2ch Premium DAC